# KiCad board HPM6E00FULLPORTRevB.kicad_pcb
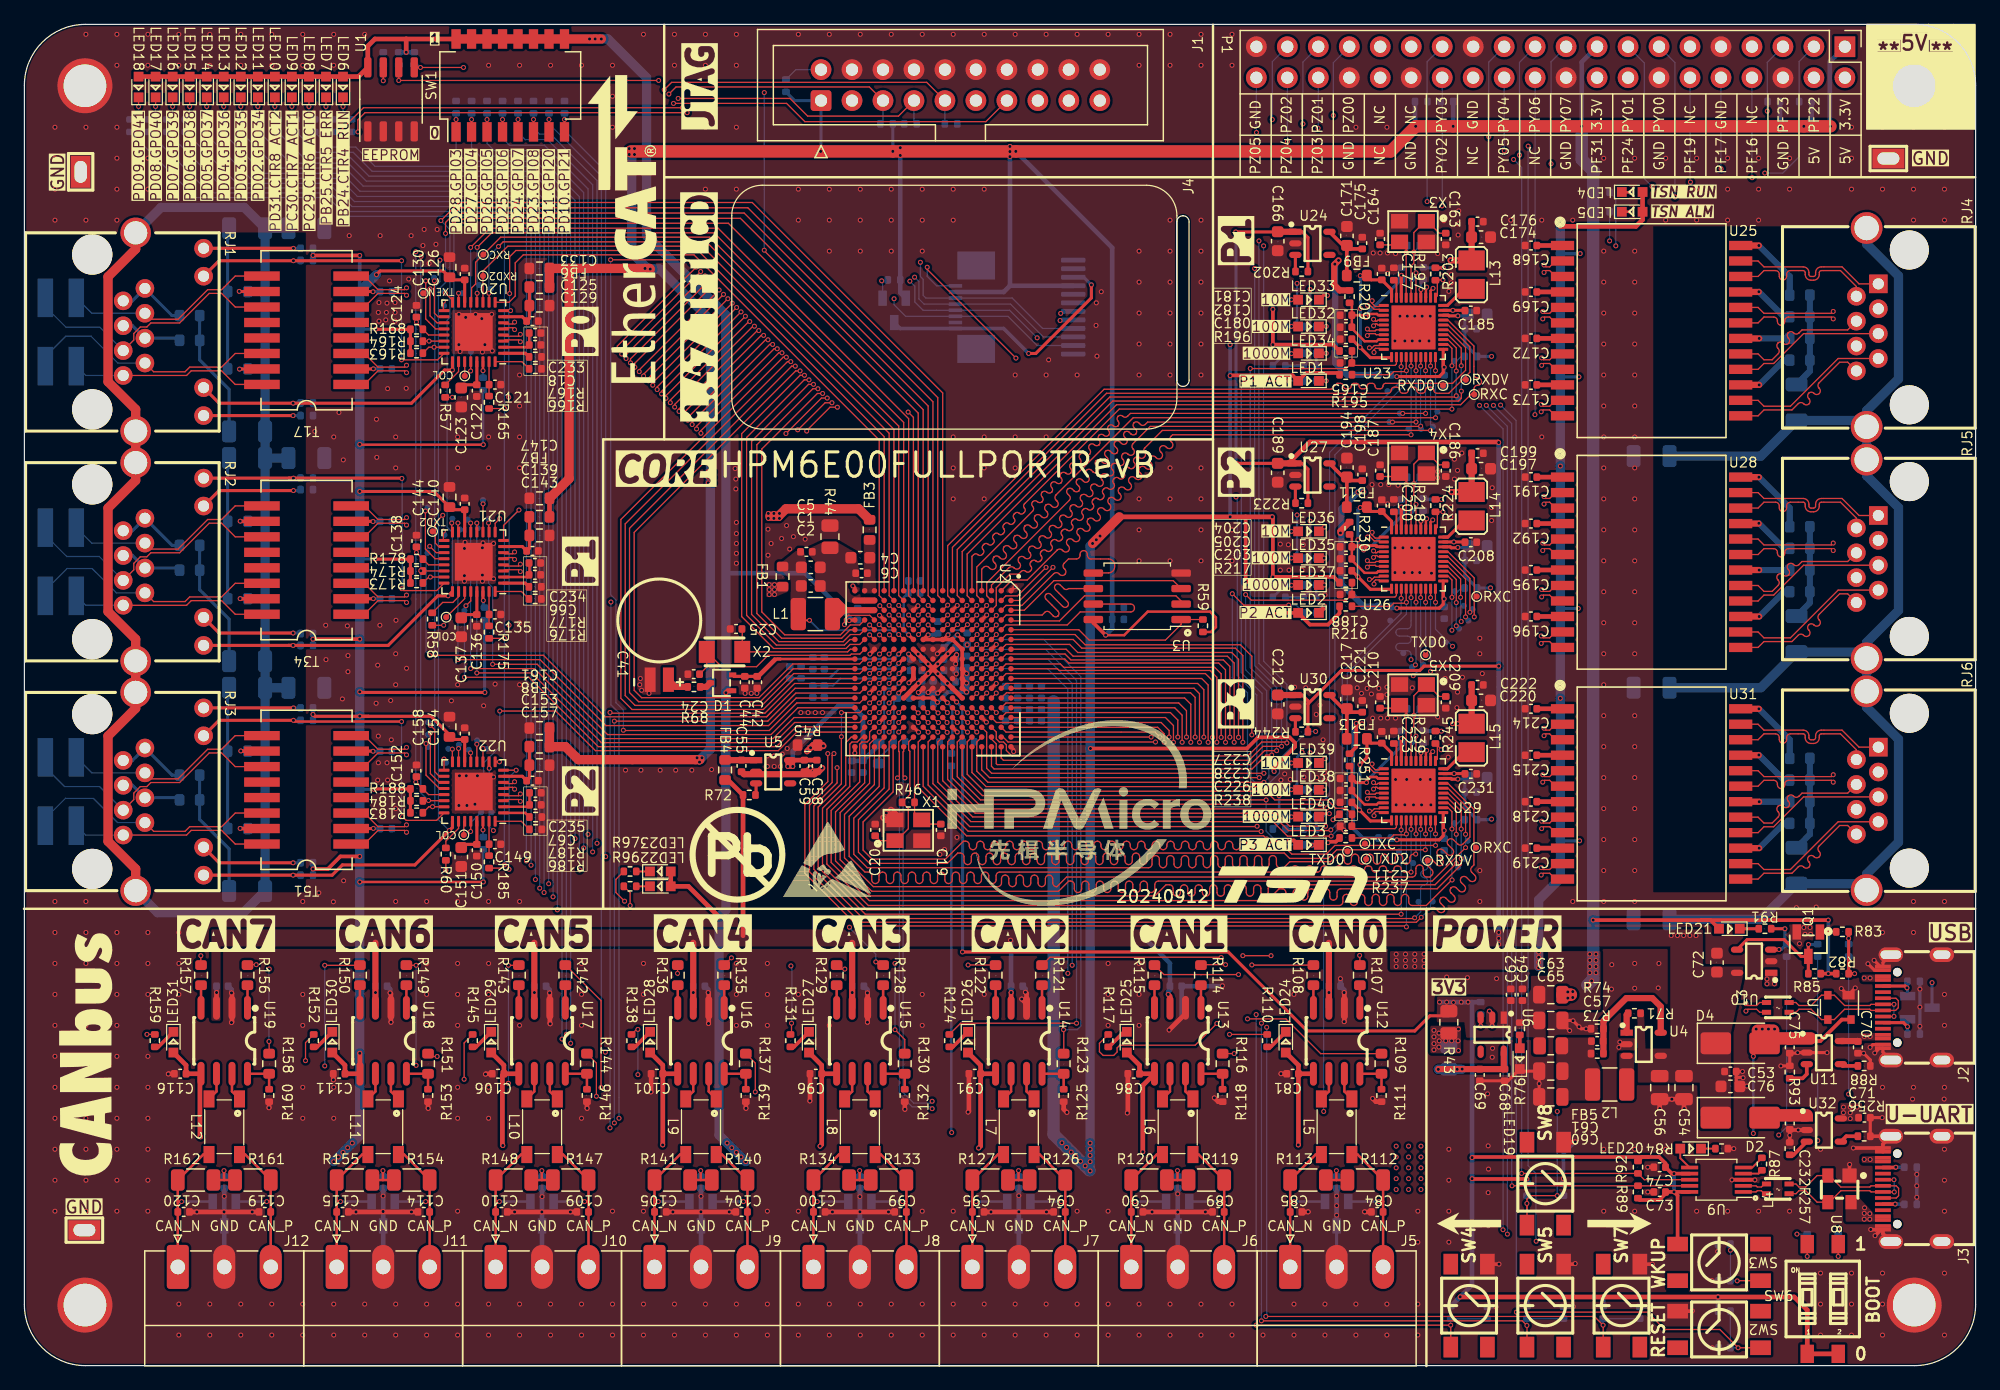
[diagram p0: board, top side]
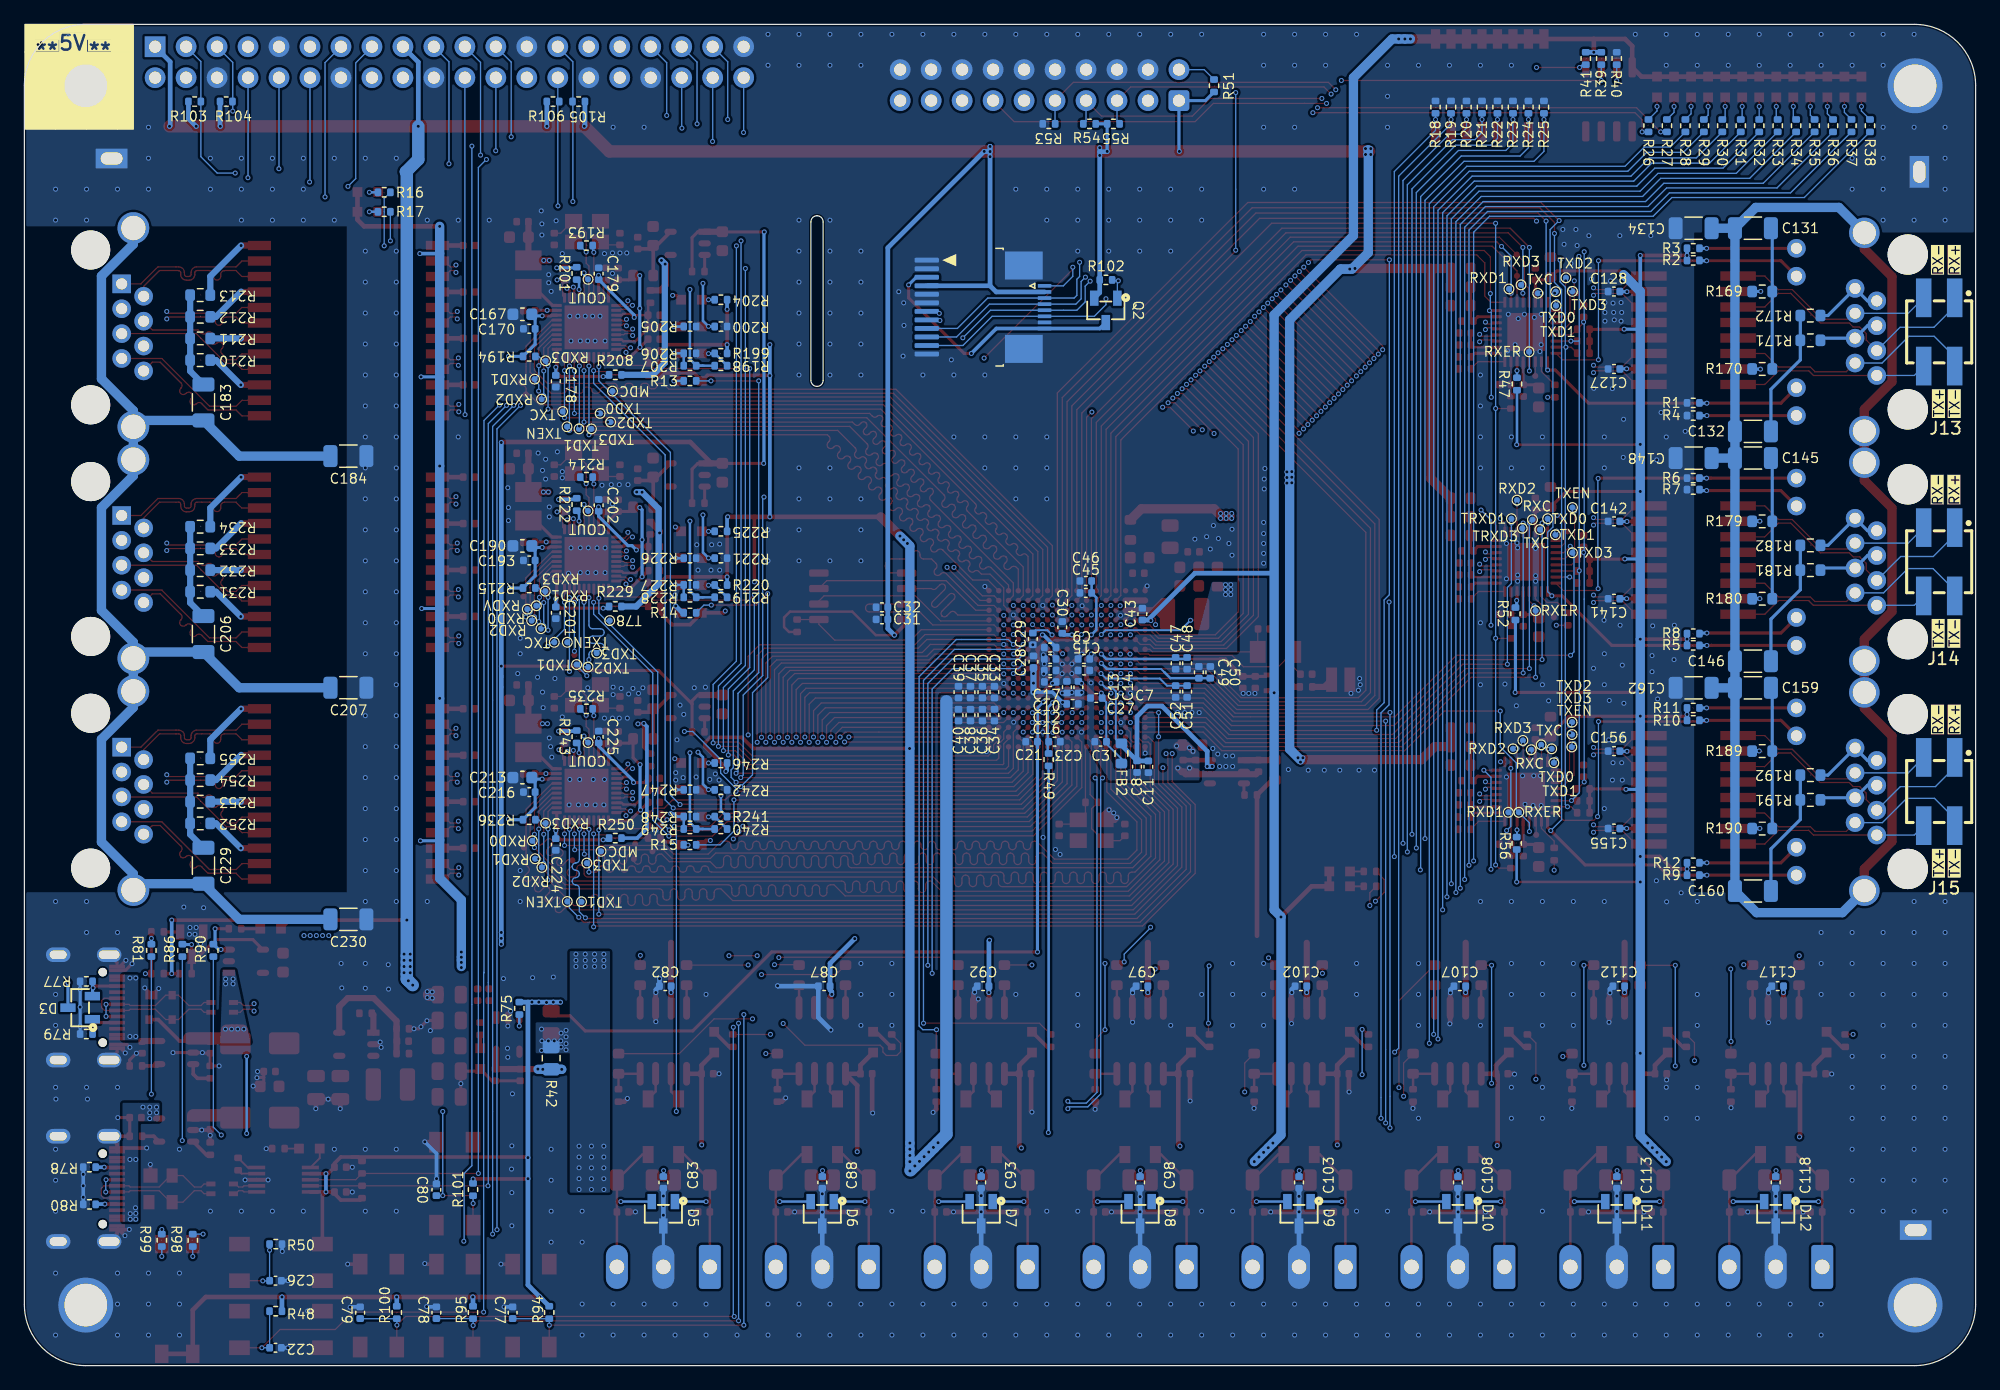
[diagram p1: board, bottom side, seen from below]

Outline 160 x 110 mm; copper layers: Top, GND2 (plane), POWER3, Bottom. Coordinates in mm from the lower left corner of the outline.
Outline path: 0,105 0,5 arc(1.46,1.46) 5,0 155,0 arc(158.54,1.46) 160,5 160,105 arc(158.54,108.54) 155,110 5,110 arc(1.46,108.54) 0,105
Stack: Top 0.0175mm / dielectric 0.1mm FR4 er 4.5 / GND2 0.0175mm / dielectric 1.31mm FR4 er 4.5 / POWER3 0.0175mm / dielectric 0.1mm FR4 er 4.5 / Bottom 0.0175mm

## Placement (name value [footprint] x y rotation side)
C1  22uF,10V  [C_0603_1608Metric]  64.48 65.47 0 top
C2  22uF,10V  [C_0603_1608Metric]  64.48 63.95 0 top
C3  4.7uF,10V  [C_0402_1005Metric]  71.75 51.17 0 bottom
C4  22uF,10V  [C_0603_1608Metric]  68.54 66.26 180 top
C5  0.1uF,16V  [C_0402_1005Metric]  64.12 66.74 0 top
C6  0.1uF,16V  [C_0402_1005Metric]  68.65 64.99 180 top
C7  0.1uF,16V  [C_0402_1005Metric]  72.1 54.75 0 bottom
C8  0.1uF,16V  [C_0402_1005Metric]  68.77 49.13 270 bottom
C9  0.1uF,16V  [C_0402_1005Metric]  73.12 57.95 180 bottom
C10  0.1uF,16V  [C_0402_1005Metric]  75.89 57.95 0 bottom
C11  4.7uF,10V  [C_0402_1005Metric]  67.83 49.11 270 bottom
C12  0.1uF,16V  [C_0402_1005Metric]  75.89 57.01 0 bottom
C13  0.1uF,16V  [C_0402_1005Metric]  74.51 55.64 270 bottom
C14  0.1uF,16V  [C_0402_1005Metric]  73.57 55.64 270 bottom
C15  4.7uF,10V  [C_0402_1005Metric]  73.12 57.01 180 bottom
C16  4.7uF,10V  [C_0402_1005Metric]  75.89 56.07 0 bottom
C17  22uF,10V  [C_0402_1005Metric]  75.89 58.89 0 bottom
C18  0.1uF,50V  [C_0402_1005Metric]  41.87 83.71 180 top
C19  12pF,50V  [C_0402_1005Metric]  75.15 43.93 270 top
C20  12pF,50V  [C_0402_1005Metric]  69.76 43.93 90 top
C21  0.1uF,16V  [C_0402_1005Metric]  77.41 51.17 0 bottom
C22  0.1uF,16V  [C_0402_1005Metric]  139.41 1.46 180 bottom
C23  0.1uF,16V  [C_0402_1005Metric]  75.53 51.17 180 bottom
C24  15pF,50V  [C_0402_1005Metric]  54.88 56.71 180 top
C25  15pF,50V  [C_0402_1005Metric]  58.36 60.42 180 top
C26  0.1uF,16V  [C_0402_1005Metric]  139.41 6.96 180 bottom
C27  0.1uF,16V  [C_0402_1005Metric]  74.06 54.27 0 bottom
C28  4.7uF,10V  [C_0402_1005Metric]  77.26 57.72 270 bottom
C29  0.1uF,16V  [C_0402_1005Metric]  77.31 59.6 270 bottom
C30  0.1uF,16V  [C_0402_1005Metric]  74.89 60.54 90 bottom
C31  0.1uF,16V  [C_0402_1005Metric]  89.68 61.2 0 bottom
C32  10uF,10V  [C_0402_1005Metric]  89.68 62.19 0 bottom
C33  10uF,6.3V  [C_0402_1005Metric]  80.46 55.24 90 bottom
C34  0.1uF,16V  [C_0402_1005Metric]  80.46 53.36 270 bottom
C35  0.1uF,16V  [C_0402_1005Metric]  81.44 55.24 90 bottom
C36  10uF,6.3V  [C_0402_1005Metric]  81.44 53.36 270 bottom
C37  0.1uF,16V  [C_0402_1005Metric]  82.42 55.24 90 bottom
C38  0.1uF,16V  [C_0402_1005Metric]  82.42 53.36 270 bottom
C39  0.1uF,16V  [C_0402_1005Metric]  83.4 55.24 90 bottom
C40  0.1uF,16V  [C_0402_1005Metric]  83.4 53.36 270 bottom
C41  超级电容_3.3V  [DMS3R3224]  52.06 56.25 270 top
C42  0.1uF,16V  [C_0402_1005Metric]  60.09 56.05 270 top
C43  0.1uF,16V  [C_0402_1005Metric]  68.33 61.63 270 bottom
C44  10uF,10V  [C_0402_1005Metric]  59.07 56.05 270 top
C45  0.1uF,16V  [C_0402_1005Metric]  72.96 63.37 0 bottom
C46  4.7uF,10V  [C_0402_1005Metric]  72.96 64.35 0 bottom
C47  0.1uF,16V  [C_0402_1005Metric]  65.6 57.6 270 bottom
C48  4.7uF,10V  [C_0402_1005Metric]  64.66 57.6 270 bottom
C49  4.7uF,10V  [C_0402_1005Metric]  63.69 56.86 90 bottom
C50  0.1uF,16V  [C_0402_1005Metric]  62.75 56.86 90 bottom
C51  4.7uF,10V  [C_0402_1005Metric]  64.66 55.29 270 bottom
C52  0.1uF,16V  [C_0402_1005Metric]  65.6 55.29 270 bottom
C53  0.1uF,16V  [C_0402_1005Metric]  139.89 24.12 0 top
C54  22uF,16V  [C_0805_2012Metric]  136.08 22.8 270 top
C55  4.7uF,10V  [C_0402_1005Metric]  58.8 49.19 270 top
C56  22uF,16V  [C_0805_2012Metric]  134.09 22.8 270 top
C57  22pF,50V  [C_0402_1005Metric]  128.97 26.61 0 top
C58  0.1uF,16V  [C_0402_1005Metric]  64.98 49.18 270 top
C59  10uF,10V  [C_0402_1005Metric]  63.96 49.18 270 top
C60  22uF,16V  [C_0805_2012Metric]  125.16 22.04 180 top
C61  22uF,16V  [C_0805_2012Metric]  125.16 24.15 180 top
C62  0.1uF,16V  [C_0402_1005Metric]  121.88 30.42 90 top
C63  22uF,16V  [C_0805_2012Metric]  125.16 30.42 0 top
C64  4.7uF,10V  [C_0402_1005Metric]  122.84 30.42 90 top
C65  22uF,16V  [C_0805_2012Metric]  125.16 28.31 0 top
C66  0.1uF,50V  [C_0402_1005Metric]  41.86 64.85 180 top
C67  0.1uF,50V  [C_0402_1005Metric]  41.9 45.99 180 top
C68  0.1uF,16V  [C_0402_1005Metric]  121.38 23.84 270 top
C69  10uF,10V  [C_0402_1005Metric]  119.34 23.84 270 top
C70  1uF,16V  [C_0402_1005Metric]  150.35 26.1 270 top
C71  1uF,16V  [C_0402_1005Metric]  150.88 20.34 0 top
C72  10uF,16V  [C_0603_1608Metric]  138.79 33.05 90 top
C73  4.7uF,10V  [C_0402_1005Metric]  134.09 14.24 0 top
C74  0.1uF,16V  [C_0402_1005Metric]  134.09 16.27 180 top
C75  1uF,16V  [C_0402_1005Metric]  144.76 26.1 270 top
C76  22uF,10V  [C_0603_1608Metric]  139.89 22.9 0 top
C77  0.1uF,16V  [C_0402_1005Metric]  119.97 4.34 90 bottom
C78  0.1uF,16V  [C_0402_1005Metric]  126.22 4.34 90 bottom
C79  0.1uF,16V  [C_0402_1005Metric]  132.47 4.34 90 bottom
C80  0.1uF,16V  [C_0402_1005Metric]  126.22 14.42 90 bottom
C81  0.1uF,16V  [C_0402_1005Metric]  103.99 23.94 180 top
C82  0.1uF,16V  [C_0402_1005Metric]  107.45 31.12 180 bottom
C83  10nF,50V  [C_0402_1005Metric]  107.6 15.03 270 bottom
C84  47pF,50V  [C_0402_1005Metric]  110.93 12.6 180 top
C85  47pF,50V  [C_0402_1005Metric]  104.27 12.6 180 top
C86  0.1uF,16V  [C_0402_1005Metric]  90.96 23.94 180 top
C87  0.1uF,16V  [C_0402_1005Metric]  94.42 31.12 180 bottom
C88  10nF,50V  [C_0402_1005Metric]  94.57 15.03 270 bottom
C89  47pF,50V  [C_0402_1005Metric]  97.9 12.6 180 top
C90  47pF,50V  [C_0402_1005Metric]  91.24 12.6 180 top
C91  0.1uF,16V  [C_0402_1005Metric]  77.93 23.94 180 top
C92  0.1uF,16V  [C_0402_1005Metric]  81.39 31.12 180 bottom
C93  10nF,50V  [C_0402_1005Metric]  81.54 15.03 270 bottom
C94  47pF,50V  [C_0402_1005Metric]  84.87 12.6 180 top
C95  47pF,50V  [C_0402_1005Metric]  78.21 12.6 180 top
C96  0.1uF,16V  [C_0402_1005Metric]  64.9 23.94 180 top
C97  0.1uF,16V  [C_0402_1005Metric]  68.36 31.12 180 bottom
C98  10nF,50V  [C_0402_1005Metric]  68.51 15.03 270 bottom
C99  47pF,50V  [C_0402_1005Metric]  71.84 12.6 180 top
C100  47pF,50V  [C_0402_1005Metric]  65.18 12.6 180 top
C101  0.1uF,16V  [C_0402_1005Metric]  51.87 23.94 180 top
C102  0.1uF,16V  [C_0402_1005Metric]  55.32 31.12 180 bottom
C103  10nF,50V  [C_0402_1005Metric]  55.48 15.03 270 bottom
C104  47pF,50V  [C_0402_1005Metric]  58.81 12.6 180 top
C105  47pF,50V  [C_0402_1005Metric]  52.15 12.6 180 top
C106  0.1uF,16V  [C_0402_1005Metric]  38.84 23.94 180 top
C107  0.1uF,16V  [C_0402_1005Metric]  42.29 31.12 180 bottom
C108  10nF,50V  [C_0402_1005Metric]  42.45 15.03 270 bottom
C109  47pF,50V  [C_0402_1005Metric]  45.78 12.6 180 top
C110  47pF,50V  [C_0402_1005Metric]  39.12 12.6 180 top
C111  0.1uF,16V  [C_0402_1005Metric]  25.81 23.94 180 top
C112  0.1uF,16V  [C_0402_1005Metric]  29.26 31.12 180 bottom
C113  10nF,50V  [C_0402_1005Metric]  29.42 15.03 270 bottom
C114  47pF,50V  [C_0402_1005Metric]  32.75 12.6 180 top
C115  47pF,50V  [C_0402_1005Metric]  26.09 12.6 180 top
C116  0.1uF,16V  [C_0402_1005Metric]  12.78 23.94 180 top
C117  0.1uF,16V  [C_0402_1005Metric]  16.23 31.12 180 bottom
C118  10nF,50V  [C_0402_1005Metric]  16.39 15.03 270 bottom
C119  47pF,50V  [C_0402_1005Metric]  19.72 12.6 180 top
C120  47pF,50V  [C_0402_1005Metric]  13.06 12.6 180 top
C121  62pF,50V  [C_0402_1005Metric]  38.58 80.45 0 top
C122  0.1uF,50V  [C_0402_1005Metric]  37.09 79.96 90 top
C123  10uF,16V  [C_0603_1608Metric]  35.82 79.4 90 top
C124  4.7uF,10V  [C_0402_1005Metric]  32.15 86.48 90 top
C125  10uF,10V  [R_0603_1608Metric]  42.23 86.94 0 top
C126  0.1uF,16V  [C_0402_1005Metric]  36.1 89.53 90 top
C127  0.1uF,50V  [C_0402_1005Metric]  29.65 81.74 180 bottom
C128  0.1uF,50V  [C_0402_1005Metric]  29.65 88.09 0 bottom
C129  0.1uF,16V  [C_0402_1005Metric]  41.66 85.67 0 top
C130  10uF,10V  [R_0603_1608Metric]  34.86 90.08 90 top
C131  1nF,2kV  [C_1206_3216Metric]  18.26 93.28 0 bottom
C132  1nF,2kV  [C_1206_3216Metric]  18.26 76.62 0 bottom
C133  10uF,10V  [R_0603_1608Metric]  42.23 89.98 180 top
C134  1nF,2kV  [C_1206_3216Metric]  23.12 93.28 180 bottom
C135  62pF,50V  [C_0402_1005Metric]  38.58 61.61 0 top
C136  0.1uF,50V  [C_0402_1005Metric]  37.09 61.11 90 top
C137  10uF,16V  [C_0603_1608Metric]  35.82 60.55 90 top
C138  4.7uF,10V  [C_0402_1005Metric]  32.15 67.63 90 top
C139  10uF,10V  [R_0603_1608Metric]  42.23 68.09 0 top
C140  0.1uF,16V  [C_0402_1005Metric]  36.1 70.68 90 top
C141  0.1uF,50V  [C_0402_1005Metric]  29.65 62.89 180 bottom
C142  0.1uF,50V  [C_0402_1005Metric]  29.65 69.24 0 bottom
C143  0.1uF,16V  [C_0402_1005Metric]  41.66 66.82 0 top
C144  10uF,10V  [R_0603_1608Metric]  34.86 71.24 90 top
C145  1nF,2kV  [C_1206_3216Metric]  18.26 74.43 0 bottom
C146  1nF,2kV  [C_1206_3216Metric]  18.26 57.77 0 bottom
C147  10uF,10V  [R_0603_1608Metric]  42.23 71.13 180 top
C148  1nF,2kV  [C_1206_3216Metric]  23.12 74.43 180 bottom
C149  62pF,50V  [C_0402_1005Metric]  38.58 42.76 0 top
C150  0.1uF,50V  [C_0402_1005Metric]  37.09 42.27 90 top
C151  10uF,16V  [C_0603_1608Metric]  35.82 41.71 90 top
C152  4.7uF,10V  [C_0402_1005Metric]  32.15 48.78 90 top
C153  10uF,10V  [R_0603_1608Metric]  42.23 49.24 0 top
C154  0.1uF,16V  [C_0402_1005Metric]  36.1 51.83 90 top
C155  0.1uF,50V  [C_0402_1005Metric]  29.65 44.05 180 bottom
C156  0.1uF,50V  [C_0402_1005Metric]  29.65 50.4 0 bottom
C157  0.1uF,16V  [C_0402_1005Metric]  41.66 47.97 0 top
C158  10uF,10V  [R_0603_1608Metric]  34.86 52.39 90 top
C159  1nF,2kV  [C_1206_3216Metric]  18.26 55.59 0 bottom
C160  1nF,2kV  [C_1206_3216Metric]  18.26 38.93 0 bottom
C161  10uF,10V  [R_0603_1608Metric]  42.23 52.29 180 top
C162  1nF,2kV  [C_1206_3216Metric]  23.12 55.59 180 bottom
C163  22pF,50V  [C_0402_1005Metric]  116.55 92.4 270 top
C164  22pF,50V  [C_0402_1005Metric]  111.17 92.4 90 top
C165  0.1uF,50V  [C_0402_1005Metric]  108.37 82.24 180 top
C166  4.7uF,16V  [C_0603_1608Metric]  102.77 92.22 270 top
C167  4.7uF,16V  [C_0603_1608Metric]  119.17 86.22 0 bottom
C168  0.1uF,50V  [C_0402_1005Metric]  123.54 91.87 180 top
C169  0.1uF,50V  [C_0402_1005Metric]  123.54 88.06 180 top
C170  0.1uF,50V  [C_0402_1005Metric]  118.6 85.03 0 bottom
C171  4.7uF,16V  [C_0603_1608Metric]  108.45 92.65 90 top
C172  0.1uF,50V  [C_0402_1005Metric]  123.54 84.25 180 top
C173  0.1uF,50V  [C_0402_1005Metric]  123.54 80.44 180 top
C174  4.7uF,16V  [C_0603_1608Metric]  119.45 92.55 0 top
C175  0.1uF,50V  [C_0402_1005Metric]  109.71 92.06 90 top
C176  0.1uF,50V  [C_0402_1005Metric]  119.15 93.82 0 top
C177  0.1uF,50V  [C_0402_1005Metric]  111.31 89.53 270 top
C178  0.1uF,50V  [C_0402_1005Metric]  116.42 80.74 90 bottom
C179  0.1uF,50V  [C_0402_1005Metric]  112.91 89.55 90 bottom
C180  0.1uF,50V  [C_0402_1005Metric]  108.37 84.19 0 top
C181  0.1uF,50V  [C_0402_1005Metric]  108.37 86.15 180 top
C182  0.1uF,50V  [C_0402_1005Metric]  108.37 85.16 180 top
C183  1nF,2kV  [C_1206_3216Metric]  145.32 78.99 270 bottom
C184  1nF,2kV  [C_1206_3216Metric]  133.43 74.59 0 bottom
C185  0.1uF,50V  [C_0402_1005Metric]  118.61 86.53 0 top
C186  22pF,50V  [C_0402_1005Metric]  116.55 73.4 270 top
C187  22pF,50V  [C_0402_1005Metric]  111.17 73.4 90 top
C188  0.1uF,50V  [C_0402_1005Metric]  108.37 63.24 180 top
C189  4.7uF,16V  [C_0603_1608Metric]  102.77 73.22 270 top
C190  4.7uF,16V  [C_0603_1608Metric]  119.17 67.23 0 bottom
C191  0.1uF,50V  [C_0402_1005Metric]  123.54 72.87 180 top
C192  0.1uF,50V  [C_0402_1005Metric]  123.54 69.06 180 top
C193  0.1uF,50V  [C_0402_1005Metric]  118.6 66.04 0 bottom
C194  4.7uF,16V  [C_0603_1608Metric]  108.45 73.65 90 top
C195  0.1uF,50V  [C_0402_1005Metric]  123.54 65.25 180 top
C196  0.1uF,50V  [C_0402_1005Metric]  123.54 61.44 180 top
C197  4.7uF,16V  [C_0603_1608Metric]  119.45 73.55 0 top
C198  0.1uF,50V  [C_0402_1005Metric]  109.71 73.07 90 top
C199  0.1uF,50V  [C_0402_1005Metric]  119.15 74.82 0 top
C200  0.1uF,50V  [C_0402_1005Metric]  111.31 70.53 270 top
C201  0.1uF,50V  [C_0402_1005Metric]  116.42 61.74 90 bottom
C202  0.1uF,50V  [C_0402_1005Metric]  112.91 70.56 90 bottom
C203  0.1uF,50V  [C_0402_1005Metric]  108.37 65.19 0 top
C204  0.1uF,50V  [C_0402_1005Metric]  108.37 67.15 180 top
C205  0.1uF,50V  [C_0402_1005Metric]  108.37 66.17 180 top
C206  1nF,2kV  [C_1206_3216Metric]  145.32 60 270 bottom
C207  1nF,2kV  [C_1206_3216Metric]  133.43 55.6 0 bottom
C208  0.1uF,50V  [C_0402_1005Metric]  118.61 67.53 0 top
C209  22pF,50V  [C_0402_1005Metric]  116.55 54.4 270 top
C210  22pF,50V  [C_0402_1005Metric]  111.17 54.4 90 top
C211  0.1uF,50V  [C_0402_1005Metric]  108.37 44.24 180 top
C212  4.7uF,16V  [C_0603_1608Metric]  102.77 54.23 270 top
C213  4.7uF,16V  [C_0603_1608Metric]  119.17 48.23 0 bottom
C214  0.1uF,50V  [C_0402_1005Metric]  123.54 53.87 180 top
C215  0.1uF,50V  [C_0402_1005Metric]  123.54 50.06 180 top
C216  0.1uF,50V  [C_0402_1005Metric]  118.6 47.04 0 bottom
C217  4.7uF,16V  [C_0603_1608Metric]  108.45 54.65 90 top
C218  0.1uF,50V  [C_0402_1005Metric]  123.54 46.25 180 top
C219  0.1uF,50V  [C_0402_1005Metric]  123.54 42.44 180 top
C220  4.7uF,16V  [C_0603_1608Metric]  119.45 54.56 0 top
C221  0.1uF,50V  [C_0402_1005Metric]  109.71 54.07 90 top
C222  0.1uF,50V  [C_0402_1005Metric]  119.15 55.83 0 top
C223  0.1uF,50V  [C_0402_1005Metric]  111.31 51.53 270 top
C224  0.1uF,50V  [C_0402_1005Metric]  116.42 42.74 90 bottom
C225  0.1uF,50V  [C_0402_1005Metric]  112.91 51.56 90 bottom
C226  0.1uF,50V  [C_0402_1005Metric]  108.37 46.19 0 top
C227  0.1uF,50V  [C_0402_1005Metric]  108.37 48.15 180 top
C228  0.1uF,50V  [C_0402_1005Metric]  108.37 47.17 180 top
C229  1nF,2kV  [C_1206_3216Metric]  145.32 41 270 bottom
C230  1nF,2kV  [C_1206_3216Metric]  133.43 36.6 0 bottom
C231  0.1uF,50V  [C_0402_1005Metric]  118.61 48.53 0 top
C232  1uF,16V  [C_0402_1005Metric]  144.76 19.86 270 top
C233  1uF,10V  [C_0402_1005Metric]  41.87 84.69 0 top
C234  1uF,10V  [C_0402_1005Metric]  41.86 65.83 0 top
C235  1uF,10V  [C_0402_1005Metric]  41.9 46.98 0 top
COL  0.5mm  [TestPoint_Pad_D0.5mm]  36.11 81.17 180 top
COL#2  0.5mm  [TestPoint_Pad_D0.5mm]  36.03 43.53 180 top
COL#3  0.5mm  [TestPoint_Pad_D0.5mm]  34.58 61.38 180 top
COUT  0.5mm  [TestPoint_Pad_D0.5mm]  113.78 51.1 180 bottom
COUT#2  0.5mm  [TestPoint_Pad_D0.5mm]  113.78 89.09 180 bottom
COUT#3  0.5mm  [TestPoint_Pad_D0.5mm]  113.78 70.1 180 bottom
D1  BAT54SWF  [SC-70]  57.17 56 0 top
D2  SS24  [D_SMA]  140.7 20.34 0 top
D3  BAT54A-7-F  [SOT-23]  155.43 29.36 180 bottom
D4  SS34A  [D_SMA]  140.7 26.43 0 top
D5  NUP2105L  [SOT-23]  107.6 12.45 90 bottom
D6  NUP2105L  [SOT-23]  94.57 12.45 90 bottom
D7  NUP2105L  [SOT-23]  81.54 12.45 90 bottom
D8  NUP2105L  [SOT-23]  68.51 12.45 90 bottom
D9  NUP2105L  [SOT-23]  55.48 12.45 90 bottom
D10  NUP2105L  [SOT-23]  42.45 12.45 90 bottom
D11  NUP2105L  [SOT-23]  29.42 12.45 90 bottom
D12  NUP2105L  [SOT-23]  16.39 12.45 90 bottom
FB1  100Ω@100MHz 2A  [R_0603_1608Metric]  62.17 64.71 270 top
FB2  100Ω@100MHz 2A  [R_0603_1608Metric]  70.04 50.21 90 bottom
FB3  100Ω@100MHz 2A  [R_0603_1608Metric]  69.31 68.54 90 top
FB4  100Ω@100MHz 2A  [R_0603_1608Metric]  57.46 48.86 270 top
FB5  100Ω@100MHz_2A  [R_0805_2012Metric]  125.16 26.23 0 top
FB6  100Ω@100MHz_2A  [R_0603_1608Metric]  42.23 88.46 180 top
FB7  100Ω@100MHz_2A  [R_0603_1608Metric]  42.23 69.61 180 top
FB8  100Ω@100MHz_2A  [R_0603_1608Metric]  42.23 50.77 180 top
FB9  100Ω@100MHz_2A  [R_0603_1608Metric]  109.26 89.4 180 top
FB11  100Ω@100MHz_2A  [R_0603_1608Metric]  109.26 70.4 180 top
FB13  100Ω@100MHz_2A  [R_0603_1608Metric]  109.26 51.41 180 top
G***  LOGO  [TSN]  104.18 38.7 0 top
G***#2  LOGO  [CAN]  5.02 25.52 90 top
G***#3  LOGO  [jiantou]  117.52 11.64 0 top
G***#4  LOGO  [jiantou]  131.74 11.65 180 top
J1  Conn_ARM_JTAG_SWD_20  [IDC-Header_2x10_P2.54mm]  65.33 103.75 90 top
J2  USB_Type-C  [TYPE-C-16P]  154.81 29.38 90 top
J3  USB_Type-C  [TYPE-C-16P]  154.81 14.5 90 top
J4  -  [TFT1.47]  68.01 86.81 90 top
J5  KF2EDGR_3.81_3P  [PhoenixContact_MC_1,5_3-G-3.81_1x03_P3.81mm_Horizontal]  103.79 8.1 0 top
J6  KF2EDGR_3.81_3P  [PhoenixContact_MC_1,5_3-G-3.81_1x03_P3.81mm_Horizontal]  90.76 8.1 0 top
J7  KF2EDGR_3.81_3P  [PhoenixContact_MC_1,5_3-G-3.81_1x03_P3.81mm_Horizontal]  77.73 8.1 0 top
J8  KF2EDGR_3.81_3P  [PhoenixContact_MC_1,5_3-G-3.81_1x03_P3.81mm_Horizontal]  64.7 8.1 0 top
J9  KF2EDGR_3.81_3P  [PhoenixContact_MC_1,5_3-G-3.81_1x03_P3.81mm_Horizontal]  51.67 8.1 0 top
J10  KF2EDGR_3.81_3P  [PhoenixContact_MC_1,5_3-G-3.81_1x03_P3.81mm_Horizontal]  38.64 8.1 0 top
J11  KF2EDGR_3.81_3P  [PhoenixContact_MC_1,5_3-G-3.81_1x03_P3.81mm_Horizontal]  25.61 8.1 0 top
J12  KF2EDGR_3.81_3P  [PhoenixContact_MC_1,5_3-G-3.81_1x03_P3.81mm_Horizontal]  12.58 8.1 0 top
J13  2.54-2*2P_立贴  [HDR-SMD_4P-P2.54-V-M-R2-C2-LS7.5]  2.99 84.78 0 bottom
J14  2.54-2*2P_立贴  [HDR-SMD_4P-P2.54-V-M-R2-C2-LS7.5]  2.99 65.93 0 bottom
J15  2.54-2*2P_立贴  [HDR-SMD_4P-P2.54-V-M-R2-C2-LS7.5]  2.99 47.08 0 bottom
L1  4.7uH_2A  [L_1210_3225Metric]  64.86 61.64 0 top
L2  4.7uH_1.6A  [L_1210_3225Metric]  129.99 23.05 180 top
L3  DLW21SN900SQ2L  [L2012]  143.78 29.38 90 top
L4  DLW21SN900SQ2L  [L2012]  143.78 14.5 90 top
L5  ACT45B-510-2P-TL003  [L4532]  107.6 19.59 270 top
L6  ACT45B-510-2P-TL003  [L4532]  94.57 19.59 270 top
L7  ACT45B-510-2P-TL003  [L4532]  81.54 19.59 270 top
L8  ACT45B-510-2P-TL003  [L4532]  68.51 19.59 270 top
L9  ACT45B-510-2P-TL003  [L4532]  55.48 19.59 270 top
L10  ACT45B-510-2P-TL003  [L4532]  42.45 19.59 270 top
L11  ACT45B-510-2P-TL003  [L4532]  29.42 19.59 270 top
L12  ACT45B-510-2P-TL003  [L4532]  16.39 19.59 270 top
L13  2.2uH 2.3A  97mΩ  [L1008]  118.67 89.47 90 top
L14  2.2uH 2.3A  97mΩ  [L1008]  118.67 70.48 90 top
L15  2.2uH 2.3A  97mΩ  [L1008]  118.67 51.48 90 top
LED1  LED_RED  [LED_0603]  105.3 80.76 0 top
LED2  LED_GREEN  [LED_0603]  105.3 61.74 0 top
LED3  LED_BLUE  [LED_0603]  105.3 42.71 0 top
LED4  LED_GREEN  [LED_0603]  131.84 96.26 180 top
LED5  LED_RED  [LED_0603]  131.84 94.63 180 top
LED6  LED_GREEN  [LED_0603]  26.13 104.87 270 top
LED7  LED_RED  [LED_0603]  24.73 104.87 270 top
LED8  LED_BLUE  [LED_0603]  23.33 104.87 270 top
LED9  LED_GREEN  [LED_0603]  21.94 104.87 270 top
LED10  LED_RED  [LED_0603]  20.54 104.87 270 top
LED11  LED_RED  [LED_0603]  19.14 104.87 270 top
LED12  LED_RED  [LED_0603]  17.74 104.87 270 top
LED13  LED_RED  [LED_0603]  16.35 104.87 270 top
LED14  LED_RED  [LED_0603]  14.95 104.87 270 top
LED15  LED_RED  [LED_0603]  13.55 104.87 270 top
LED16  LED_RED  [LED_0603]  12.16 104.87 270 top
LED17  LED_RED  [LED_0603]  10.76 104.87 270 top
LED18  LED_RED  [LED_0603]  9.36 104.87 270 top
LED19  LED_RED  [LED_0603]  122.62 25.18 270 top
LED20  LED_GREEN  [LED_0603]  136.63 17.8 0 top
LED21  LED_GREEN  [LED_0603]  139.81 35.83 0 top
LED22  LED_GREEN  [LED_0603]  52.15 39.31 180 top
LED23  LED_GREEN  [LED_0603]  52.15 40.53 180 top
LED24  LED_RED  [LED_0603]  103.43 26.53 90 top
LED25  LED_RED  [LED_0603]  90.4 26.53 90 top
LED26  LED_RED  [LED_0603]  77.37 26.53 90 top
LED27  LED_RED  [LED_0603]  64.34 26.53 90 top
LED28  LED_RED  [LED_0603]  51.31 26.53 90 top
LED29  LED_RED  [LED_0603]  38.28 26.53 90 top
LED30  LED_RED  [LED_0603]  25.25 26.53 90 top
LED31  LED_RED  [LED_0603]  12.22 26.53 90 top
LED32  LED_GREEN  [LED_0603]  105.3 85.22 0 top
LED33  LED_BLUE  [LED_0603]  105.3 87.42 0 top
LED34  LED_RED  [LED_0603]  105.3 83.02 0 top
LED35  LED_GREEN  [LED_0603]  105.3 66.22 0 top